# Allegro board 1119394-C028P02-36-DE2-C01_pcb.brd (continued)
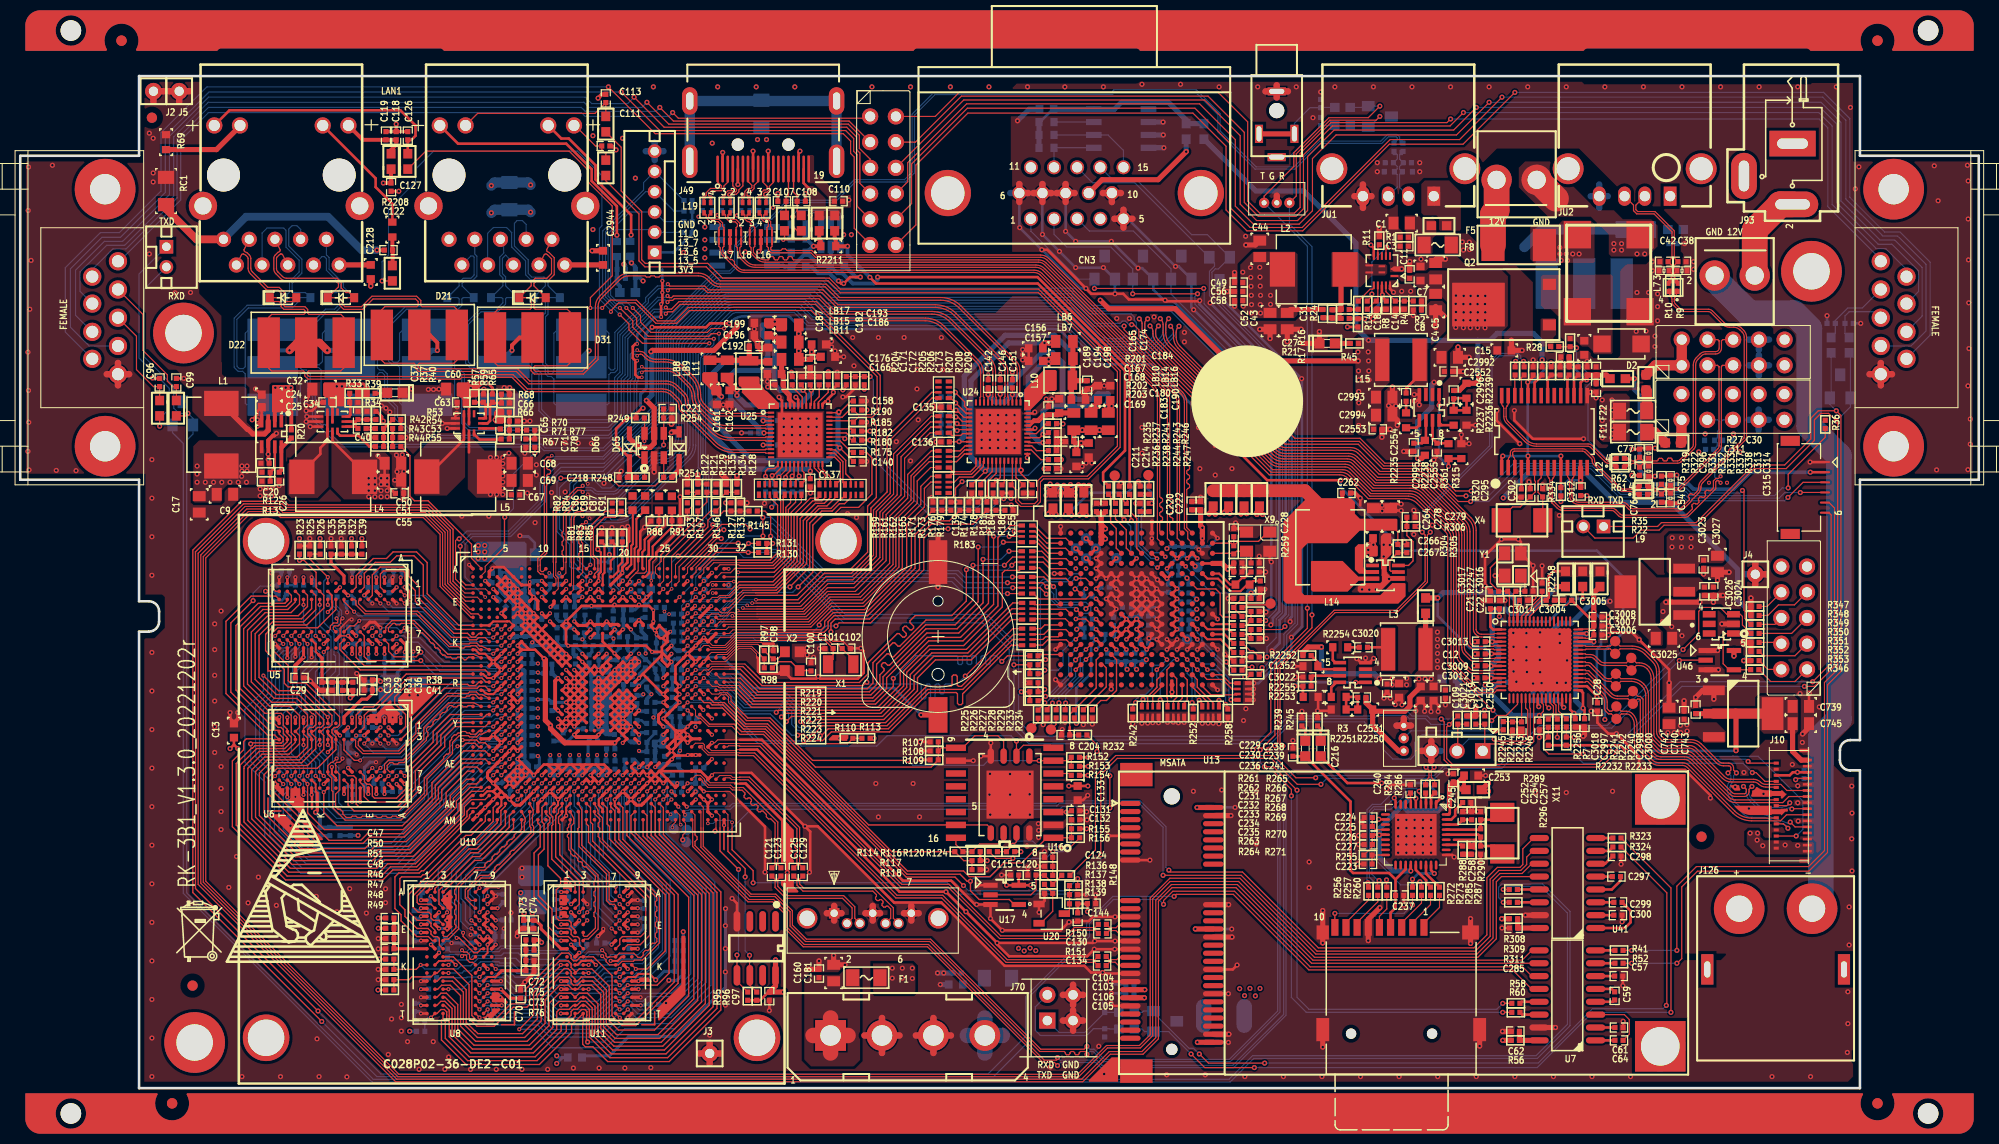
[diagram p0: board, top side]
## Routing (per net, layer and track width the routed paths; a pad name or vN(x,y) marks a point on that pad's centre or on a via; arc(x,y) is an arc through that point) (continued)
DDR0_DQ24: length 15
  TOP w0.127: v1(35.58,31.65) U6.D7 ; U10.U4 v1(46.72,38.12)
  BOTTOM w0.127: v1(35.58,31.65) 36.27,32.34 37.81,32.34 43.59,38.12 v1(46.72,38.12)
DDR0_DQ25: length 13.8
  TOP w0.127: v1(36.38,34.05) U6.C3 ; U10.R4 v1(46.72,39.72)
  BOTTOM w0.127: v1(36.38,34.05) 36.83,34.5 37.68,34.5 42.91,39.72 v1(46.72,39.72)
DDR0_DQ26: length 14.2
  TOP w0.127: U10.V4 v1(46.72,37.32) ; v1(36.38,30.85) U6.C8
  BOTTOM w0.127: v1(36.38,30.85) 37.11,31.58 38.14,31.58 43.89,37.32 v1(46.72,37.32)
DDR0_DQ27: length 15.4
  TOP w0.127: U10.P6 v1(48.32,40.52) ; v1(36.38,34.85) U6.C2
  BOTTOM w0.127: v1(48.32,40.52) 47.93,40.13 42.6,40.13 37.32,34.85 v1(36.38,34.85)
DDR0_DQ28: length 13
  TOP w0.127: v1(37.98,30.85) U6.A7 ; U10.W5 v1(47.52,36.52)
  BOTTOM w0.127: v1(37.98,30.85) 38.49,30.85 43.86,36.22 46.63,36.22 46.93,36.52 v1(47.52,36.52)
DDR0_DQ29: length 13.3
  TOP w0.127: U6.A2 38.06,35.73 38.06,36.92 36.98,38 36.98,38.63 38.25,39.9 44.2,39.9 44.32,39.78 44.96,39.78 45.3,40.12 U10.R2
DDR0_DQ30: length 15
  TOP w0.127: v1(37.18,30.85) U6.B8 ; U10.W6 v1(48.32,36.52)
  BOTTOM w0.127: v1(48.32,36.52) 47.92,36.92 46.76,36.92 46.53,36.69 43.8,36.69 38.35,31.25 37.58,31.25 v1(37.18,30.85)
DDR0_DQ31: length 11.5
  TOP w0.127: U6.A3 38.5,35.37 38.5,36.13 41.89,39.52 45.15,39.52 45.34,39.71 45.93,39.71 U10.T3
DDR0_DQS0_N: length 15.2
  TOP w0.114: U10.L2 45.38,43.32 44.98,43.72 44.53,43.72 44.45,43.63 43.96,43.63 43.81,43.48 43.45,43.48 43.3,43.63 42.36,43.63 39.12,46.86 34.05,46.86 33.15,47.76 33.15,48.14 33,48.29 U5.G3
DDR0_DQS0_P: length 15.3
  TOP w0.114: U5.F3 33.41,48.13 33.41,47.87 34.16,47.13 39.24,47.13 42.47,43.9 44.34,43.9 44.42,43.98 45.09,43.98 45.4,43.67 45.59,43.67 U10.L3
DDR0_DQS1_N: length 11.6
  TOP w0.114: U10.M1 44.64,42.6 44.29,42.6 44.02,42.33 43.86,42.33 43.59,42.6 43.22,42.6 43.05,42.43 42.68,42.43 42.51,42.6 42.12,42.6 41.93,42.79 41.77,42.79 41.73,42.79 41.48,43.03 41.48,43.24 41.23,43.49 41.03,43.49 40.92,43.6 40.92,43.8 40.75,43.97 40.62,43.97 40.41,44.17 40.41,44.31 39.74,44.98 39.53,44.98 39.38,45.14 39.38,45.34 38.79,45.93 37.62,45.93 37.48,45.79 37.13,45.79 36.99,45.93 36.82,45.93 36.37,45.48 36.37,45.16 36.44,45.09 U5.B7
DDR0_DQS1_P: length 11.7
  TOP w0.114: U5.C7 36.1,45.22 36.1,45.59 36.71,46.19 38.91,46.19 42.24,42.86 44.8,42.86 U10.M2
DDR0_DQS2_N: length 16.9
  TOP w0.114: U6.G3 33.04,34.45 33.12,34.36 33.12,33.76 33.82,33.06 37.49,33.06 39.34,34.91 39.34,35.86 42.22,38.74 43.47,38.74 43.61,38.61 43.98,38.61 44.11,38.74 44.35,38.74 44.49,38.88 44.95,38.88 45.31,38.52 U10.U2
DDR0_DQS2_P: length 17
  TOP w0.114: U6.F3 33.39,34.26 33.39,33.87 33.93,33.32 37.38,33.32 39.08,35.02 39.08,35.98 42.11,39.01 44.24,39.01 44.38,39.15 45.06,39.15 45.33,38.88 45.65,38.88 U10.U3
DDR0_DQS3_N: length 13.5
  TOP w0.114: U6.B7 36.5,31.25 36.24,31.5 36.24,31.89 36.52,32.16 36.79,32.16 36.92,32.02 37.28,32.02 37.42,32.16 37.91,32.16 40.13,34.38 40.13,34.66 40.27,34.8 40.27,35.15 40.13,35.29 40.13,35.53 40.32,35.72 40.53,35.72 40.77,35.96 40.77,36.18 41.02,36.42 41.23,36.42 41.47,36.66 41.47,36.88 41.72,37.12 41.93,37.12 42.17,37.36 42.17,37.58 42.41,37.81 42.63,37.81 42.77,37.68 43.13,37.68 43.26,37.81 43.62,37.81 43.76,37.68 44.12,37.68 44.25,37.81 44.63,37.81 U10.V1
DDR0_DQS3_P: length 13.6
  TOP w0.114: U6.C7 35.98,32 36.41,32.43 37.8,32.43 39.86,34.49 39.86,35.64 42.29,38.07 44.81,38.07 U10.V2
DDR0_ODT: length 74.7
  TOP w0.127: R26.2 R25.1 28.6,52.28 v1(30.38,50.5) U5.K1 ; v1(24.02,40.76) 25.52,39.27 27.77,39.27 v1(30.38,36.66) U6.K1 ; U10.AF4 v1(46.72,30.92)
  BOTTOM w0.127: v1(24.02,40.76) 24.02,39.26 22.19,37.43 22.19,32.22 24.16,30.25 24.16,24.79 27.71,21.23 37.87,21.23 43.71,27.08 43.71,27.91 v1(46.72,30.92) ; v1(30.38,50.5) 29.98,50.11 29.98,46.01 30.99,45.01 30.99,42.85 31.14,42.7 31.14,41.17 30.51,40.54 30.51,36.79 v1(30.38,36.66)
DDR0_RAS_N: length 60.5
  TOP w0.127: U10.AF2 45.11,31.73 43.87,31.73 41.63,29.49 41.63,28.49 37.95,24.81 34.49,24.81 33.86,24.18 29.41,24.18 24.49,29.11 24.49,30.72 25.37,31.6 29.34,31.6 31.18,33.44 U6.J3 31.18,34.71 30.78,35.11 30.78,35.41 31.01,35.64 31.32,35.64 31.55,35.87 31.55,36.68 28.2,40.03 26.7,40.03 26.47,40.26 26.47,41.76 24.78,43.45 24.78,44.85 25.42,45.49 29.38,45.49 31.18,47.29 U5.J3
DDR0_RESET_N: length 66
  TOP w0.127: v2(23,48.17) 20.8,45.97 20.8,39.12 24.57,35.36 25.47,35.36 U6.T2 25.58,34.99 25.97,34.6 25.97,34.29 25.77,34.09 25.73,34.09 25.72,34.09 25.43,34.09 25.43,34.09 25.36,34.09 25.33,34.12 22.87,34.12 v2(22.76,34.02) ; U10.AF5 v1(47.52,30.92) ; v1(24.89,49.71) 24.97,49.63 24.97,49.35 25.23,49.09 U5.T2
  BOTTOM w0.102: v1(24.89,49.71) 24.79,49.61 23.7,49.61 23,48.91 v2(23,48.17)
  BOTTOM w0.127: v1(47.52,30.92) 47.1,31.34 46.51,31.34 43.21,28.04 43.21,27.2 37.74,21.74 27.84,21.74 24.66,24.92 24.66,30.38 22.76,32.28 v2(22.76,34.02)
  BOTTOM w0.254: R414.2 25.3,48.82 24.97,49.15 24.97,49.63 v1(24.89,49.71) C505.1
DDR0_WE_N: length 40.4
  TOP w0.127: U6.L3 v1(29.58,33.91) ; U10.AC2 45.28,33.72 44.92,34.08 44.02,34.08 43.72,33.78 v1(43.19,33.78) ; U5.L3 v1(29.58,47.76)
  BOTTOM w0.127: v1(29.58,47.76) 29.58,45.7 30.68,44.6 30.68,41.58 29.93,40.83 29.93,34.27 v1(29.58,33.91) 29.58,33.43 30.38,32.63 30.38,31.19 30.97,30.6 30.97,28.09 31.64,27.42 37.62,27.42 39.1,28.9 39.1,29.7 v1(43.19,33.78)
DDR0_ZQ: length 1.2
  TOP w0.305: U10.M7 v1(49.12,42.12)
  BOTTOM w0.305: R404.1 49.57,42.12 v1(49.12,42.12)
DDR1_A0: length 44.4
  TOP w0.127: U10.AG20 v1(59.52,30.12) ; v1(42.3,9.78) U8.N3 ; v1(56.14,9.78) U11.N3
  BOTTOM w0.127: v1(59.52,30.12) 59.13,29.73 59.13,29.09 59.39,28.83 59.39,28.1 59.24,27.95 59.24,24.22 63.43,20.03 63.43,13.63 61.19,11.38 60.86,11.38 60.38,10.91 59.69,10.91 59.37,10.58 58.03,10.58 57.22,9.78 v1(56.14,9.78) 54.03,9.78 53.64,10.17 52.98,10.17 52.76,9.96 49.3,9.96 47.92,11.33 46.96,11.33 46.67,11.04 45.98,11.04 45.53,10.58 44.46,10.58 43.65,9.78 v1(42.3,9.78)
DDR1_A1: length 46.2
  TOP w0.127: v1(45.36,8.58) U8.P7 ; U10.AJ22 v1(61.12,28.52) ; v1(59.21,8.58) U11.P7
  BOTTOM w0.127: v1(61.12,28.52) 61.12,24.77 66.6,19.28 66.6,11.08 64.57,9.04 61.96,9.04 61.49,8.57 60.92,8.57 60.51,8.98 59.85,8.98 59.45,8.58 v1(59.21,8.58) 58.65,8.58 56.65,6.57 52.94,6.57 51.74,7.78 47.37,7.78 47.15,8 47.15,8.27 46.44,8.97 45.76,8.97 v1(45.36,8.58)
DDR1_A2: length 60.1
  TOP w0.127: U8.P3 41.97,8.98 42.93,8.01 42.93,5.59 44.66,3.86 50.47,3.86 52.6,6 52.6,7.96 53.22,8.57 54.93,8.57 55.34,8.98 U11.P3 55.89,8.98 56.77,8.09 56.77,5.51 58.51,3.77 63.62,3.77 68.05,8.2 68.05,19.24 62.32,24.97 U10.AL23
DDR1_A3: length 60.9
  TOP w0.127: U10.AM22 61.52,24.9 67.29,19.13 67.29,8.52 63.31,4.53 58.69,4.53 57.33,5.89 57.33,9.26 56.42,10.17 55.44,10.17 55.05,9.78 U11.N2 54.54,9.78 54.14,10.17 53.29,10.17 51.84,8.73 51.84,6.4 50.06,4.63 44.99,4.63 43.49,6.12 43.49,9.14 42.46,10.17 41.62,10.17 41.23,9.78 U8.N2
DDR1_A4: length 45.8
  TOP w0.127: v1(46.16,9.38) U8.P8 ; v1(60.01,9.38) U11.P8 ; U10.AG22 v1(61.12,30.12)
  BOTTOM w0.127: v1(61.12,30.12) 60.72,29.72 60.72,24.6 66.22,19.1 66.22,11.29 64.31,9.37 60.01,9.37 v1(60.01,9.38) 59.83,9.38 59.43,8.98 58.52,8.98 56.49,6.95 53.1,6.95 51.8,8.25 48.14,8.25 47.81,8.58 47.26,8.58 46.47,9.38 v1(46.16,9.38)
DDR1_A5: length 61.1
  TOP w0.127: U8.P2 41.15,8.98 41.56,9.38 42.09,9.38 43.21,8.27 43.21,5.85 44.82,4.25 50.28,4.25 52.22,6.19 52.22,8.36 53.24,9.38 54.4,9.38 U11.P2 55.21,9.38 56.01,9.38 57.05,8.34 57.05,5.74 58.64,4.15 63.46,4.15 67.67,8.36 67.67,19.18 61.91,24.95 61.91,26.93 U10.AL22
DDR1_A6: length 46.9
  TOP w0.127: U11.R8 59.61,8.18 v1(60.01,8.58) ; v1(46.16,8.58) U8.R8 ; U10.AH23 v1(61.92,29.32)
  BOTTOM w0.127: v1(61.92,29.32) 61.92,24.59 66.99,19.52 66.99,10.86 63.86,7.73 61.14,7.73 60.3,8.58 v1(60.01,8.58) 59.87,8.58 59.46,8.17 58.79,8.17 56.82,6.19 52.79,6.19 51.58,7.4 47.24,7.4 46.84,7.8 46.84,8.07 46.33,8.58 v1(46.16,8.58)
DDR1_A7: length 62.6
  TOP w0.127: U10.AK23 62.71,27.73 62.71,25.01 68.43,19.29 68.43,8.04 63.78,3.39 58.38,3.39 56.49,5.28 56.49,7.92 55.83,8.58 55.39,8.58 54.98,8.18 U11.R2 54.6,8.18 54.21,7.78 53.25,7.78 52.98,7.52 52.98,5.79 50.68,3.48 44.5,3.48 42.65,5.34 42.65,7.87 41.94,8.58 41.55,8.58 41.14,8.18 U8.R2
DDR1_A8: length 47.3
  TOP w0.127: U10.AJ24 v1(62.72,28.52) ; v1(60.01,7.78) U11.T8 ; v1(46.16,7.78) U8.T8
  BOTTOM w0.127: v1(62.72,28.52) 62.72,24.92 67.75,19.89 67.75,10.45 64.26,6.97 60.81,6.97 v1(60.01,7.78) 59.59,7.36 59.06,7.36 57.13,5.43 52.47,5.43 51.27,6.63 47.06,6.63 46.16,7.53 v1(46.16,7.78)
DDR1_A9: length 60.1
  TOP w0.127: U10.AM24 63.12,25.03 68.81,19.34 68.81,7.88 63.94,3.01 58.25,3.01 56.24,5.03 56.24,5.04 56.22,5.06 56.22,7.63 56.22,7.78 55.82,8.18 U11.R3 55.4,8.18 55.02,7.8 54.64,7.8 54.41,7.57 54.41,7.23 53.43,6.24 53.43,5.67 50.87,3.1 44.34,3.1 42.37,5.08 42.37,7.12 42.37,7.71 41.9,8.18 U8.R3
DDR1_A10: length 38.7
  TOP w0.127: U8.L7 45.36,11.78 v1(45.36,11.78) ; U10.AH19 v1(58.72,29.32) ; v1(59.21,11.78) U11.L7
  BOTTOM w0.127: v1(45.36,11.78) 45.76,12.18 47.14,12.18 47.23,12.09 48.33,12.09 49.06,11.35 55.55,11.35 55.94,10.97 56.76,10.97 57.57,11.78 v1(59.21,11.78) 59.73,12.31 61.44,12.31 63.05,13.92 63.05,19.78 58.8,24.03 58.8,27.95 59.13,28.28 59.13,28.68 58.72,29.09 v1(58.72,29.32)
DDR1_A11: length 48.6
  TOP w0.127: U10.AH24 v1(62.72,29.32) ; U11.R7 v1(59.21,7.78) ; U8.R7 v1(45.36,7.78)
  BOTTOM w0.127: v1(62.72,29.32) 62.33,28.93 62.33,24.76 67.37,19.72 67.37,10.66 64.06,7.35 60.99,7.35 60.17,8.17 59.86,8.17 59.47,7.78 v1(59.21,7.78) 58.94,7.78 56.98,5.81 52.63,5.81 51.42,7.02 47.13,7.02 46.56,7.59 46.56,7.94 46.33,8.17 45.76,8.17 v1(45.36,7.78)
DDR1_A12: length 41.9
  TOP w0.127: U10.AH21 v1(60.32,29.32) ; v1(45.36,9.38) U8.N7 ; v1(59.21,9.38) U11.N7
  BOTTOM w0.127: v1(45.36,9.38) 45.76,9.77 46.66,9.77 47.05,9.38 47.76,9.38 48.44,8.71 52.1,8.71 53.04,7.77 56.75,7.77 58.36,9.38 v1(59.21,9.38) 59.41,9.38 59.81,9.77 60.5,9.77 60.91,10.18 61.31,10.18 64.19,13.07 64.19,20.54 60.2,24.53 60.2,28.01 59.9,28.31 59.9,28.68 60.32,29.1 v1(60.32,29.32)
DDR1_A13: length 62.6
  TOP w0.127: U8.T3 41.76,6.87 41.6,6.71 41.6,4.77 44.03,2.34 51.27,2.34 54.46,5.52 54.46,6.23 U11.T3 55.61,6.39 55.55,6.33 55.55,4.35 55.81,4.09 56.56,4.09 58.02,2.63 64.1,2.63 69.19,7.73 69.19,19.39 63.53,25.06 63.53,27.71 U10.AK24
DDR1_A14: length 42.1
  TOP w0.127: U8.T7 v1(45.36,6.98) ; U11.T7 v1(59.22,6.97) 59.62,6.56 60.67,6.56 64.6,10.5 64.6,19.09 59.12,24.57 U10.AM19
  BOTTOM w0.127: v1(59.22,6.97) 57.3,5.05 52.31,5.05 51.11,6.25 46.09,6.25 v1(45.36,6.98)
DDR1_A15: length 41.5
  TOP w0.127: U10.AG21 v1(60.32,30.12) ; v1(59.21,10.18) U11.M7 ; v1(45.36,10.18) U8.M7
  BOTTOM w0.127: v1(60.32,30.12) 59.92,29.72 59.92,29.09 59.65,28.81 59.65,28.05 59.74,27.96 59.74,24.36 63.81,20.29 63.81,13.39 61.39,10.97 60.9,10.97 60.5,10.57 59.78,10.57 59.38,10.18 v1(59.21,10.18) 58.12,10.18 57.32,9.38 52.95,9.38 52.76,9.57 49.08,9.57 47.68,10.97 47.06,10.97 46.66,10.57 45.95,10.57 45.55,10.18 v1(45.36,10.18)
DDR1_BA0: length 62
  TOP w0.127: U10.AL21 60.33,26.93 60.33,25.23 63.43,22.13 66.53,19.03 66.53,8.83 62.99,5.29 58.89,5.29 57.89,6.29 57.89,9.71 56.62,10.98 55.43,10.98 55.02,10.58 U11.M2 54.81,10.77 54.41,11.16 54.41,11.5 54.09,11.82 53.73,11.82 51.08,9.17 51.08,6.85 49.61,5.39 45.2,5.39 44.91,5.68 44.87,5.68 44.05,6.51 44.05,9.71 42.78,10.98 41.59,10.98 41.18,10.58 U8.M2
DDR1_BA1: length 40
  TOP w0.127: U11.N8 v1(60.01,10.18) 62.9,10.18 64.08,11.36 64.08,19.17 58.73,24.53 58.73,27.41 58.32,27.81 U10.AK18 ; v1(46.16,10.18) U8.N8
  BOTTOM w0.127: v1(60.01,10.18) 59.78,10.18 59.37,9.77 58.21,9.77 57.02,8.58 52.99,8.58 52.43,9.14 48.79,9.14 47.75,10.18 v1(46.16,10.18)
DDR1_BA2: length 60.2
  TOP w0.127: U8.M3 42.68,10.58 43.77,9.49 43.77,6.39 45.15,5.01 49.82,5.01 51.46,6.65 51.46,8.92 52.77,10.22 52.77,10.45 53.27,10.95 54.18,10.95 54.41,10.72 54.41,10.4 54.63,10.18 55.03,10.18 55.43,10.58 U11.M3 56.52,10.58 57.61,9.49 57.61,6.07 58.76,4.91 63.15,4.91 66.91,8.67 66.91,19.08 60.72,25.27 U10.AM21
DDR1_CAS_N: length 39.4
  TOP w0.127: U11.K3 v1(56.14,12.18) ; U10.AJ18 v1(57.92,28.52) ; U8.K3 v1(42.3,12.18)
  BOTTOM w0.127: v1(57.92,28.52) 58.01,28.43 58.01,23.54 62.29,19.27 62.29,14.46 61.02,13.19 58.35,13.19 57.81,12.65 56.62,12.65 v1(56.14,12.18) 54.42,12.18 53.87,12.73 49.81,12.73 49.17,13.36 47.78,13.36 47.52,13.11 44.73,13.11 44.28,12.65 42.77,12.65 v1(42.3,12.18)
DDR1_CKE: length 36.7
  TOP w0.127: v1(46.96,11.78) 46.56,12.18 U8.K9 ; U10.AK17 57.96,27.68 57.96,26.1 58.2,25.86 58.2,24.62 63.7,19.12 63.7,13.56 61.92,11.78 v1(60.81,11.78) U11.K9
  BOTTOM w0.127: v1(60.81,11.78) 60.4,11.37 57.7,11.37 56.92,10.59 55.81,10.59 55.41,10.99 52.68,10.99 52.66,10.97 48.88,10.97 48.14,11.71 47.03,11.71 v1(46.96,11.78)
DDR1_CLK0_N: length 41.9
  TOP w0.114: U10.AK16 57.08,27.45 57.08,27.13 57.5,26.71 57.5,24.56 63.15,18.91 63.15,14.37 61.44,12.66 60.67,12.66 60.56,12.54 59.44,12.54 59.08,12.18 U11.K7 58.19,12.18 57.87,12.5 57.87,12.66 v1(57.48,13.05) ; v1(43.64,13.05) 43.74,13.16 44,13.16 44.09,13.07 44.09,12.73 44.38,12.43 44.71,12.43 U8.K7
  BOTTOM w0.114: R405.2 42.44,13.2 43.48,13.2 v1(43.64,13.05) 43.79,13.2 44.19,13.2 44.47,13.49 47.27,13.49 47.57,13.79 49.64,13.79 50.1,13.33 54.08,13.33 54.73,12.68 55.72,12.68 56.24,13.21 57.32,13.21 v1(57.48,13.05)
DDR1_CLK0_P: length 41.8
  TOP w0.114: v1(43.64,13.63) 43.82,13.45 44.13,13.45 44.38,13.19 44.38,12.85 44.51,12.72 44.71,12.72 U8.J7 ; U10.AL16 56.72,27.11 57.24,26.6 57.24,26.34 57.09,26.19 57.09,25.85 57.24,25.7 57.24,25.35 57.09,25.2 57.09,24.86 57.24,24.71 57.24,24.45 62.88,18.8 62.88,18.57 62.74,18.42 62.74,18.05 62.88,17.9 62.88,17.53 62.74,17.39 62.74,17.02 62.88,16.87 62.88,16.5 62.74,16.36 62.74,15.99 62.88,15.84 62.88,15.43 62.73,15.28 62.73,14.93 62.88,14.78 62.88,14.48 62.73,14.32 62.44,14.32 62.23,14.11 62.23,13.83 62.03,13.62 61.74,13.62 61.53,13.41 61.53,13.13 61.33,12.92 61.02,12.92 60.6,13.34 59.17,13.34 U11.J7 58.18,12.98 58.14,12.93 57.98,12.93 57.85,13.06 57.85,13.26 v1(57.48,13.63)
  BOTTOM w0.114: R405.1 42.49,13.47 43.48,13.47 v1(43.64,13.63) 43.8,13.47 44.08,13.47 44.36,13.75 47.16,13.75 47.46,14.06 49.75,14.06 50.21,13.6 54.19,13.6 54.84,12.95 55.61,12.95 56.13,13.47 57.32,13.47 v1(57.48,13.63)
DDR1_CS_N: length 65.9
  TOP w0.127: U10.AL20 59.92,24.97 66.02,18.87 66.02,9.12 62.64,5.74 59.08,5.74 58.17,6.65 58.17,10.07 56.46,11.78 55.21,11.78 U11.L2 54.81,11.53 54.41,11.92 54.41,12.31 54.15,12.57 53.26,12.57 50.32,9.63 50.32,8.28 50.04,8 48.69,8 46.81,6.12 45.11,6.12 44.33,6.9 44.33,10.23 42.77,11.78 41.59,11.78 41.18,11.38 U8.L2 40.58,11 38.68,11 38.4,10.72 R48.1 R49.2
DDR1_DM0: length 18.6
  TOP w0.127: v1(44.56,16.58) U8.E7 ; U10.AG10 v1(51.52,30.12)
  BOTTOM w0.127: v1(51.52,30.12) 51.13,29.73 51.13,27.32 46.08,22.27 45.19,22.27 43.97,21.05 43.97,18.91 44.43,18.45 44.43,16.71 v1(44.56,16.58)
DDR1_DM1: length 16.4
  TOP w0.127: U10.AJ7 v1(49.12,28.52) ; v1(42.16,17.38) U8.D3
  BOTTOM w0.127: v1(49.12,28.52) 45.14,24.54 44.25,24.54 41.28,21.57 41.28,18.5 42.16,17.62 v1(42.16,17.38)
DDR1_DM2: length 14.6
  TOP w0.127: v1(59.21,16.58) U11.E7 ; U10.AJ15 v1(55.52,28.52)
  BOTTOM w0.127: v1(55.52,28.52) 55.91,28.14 55.91,21.98 57.6,20.28 57.6,18.18 v1(59.21,16.58)
DDR1_DM3: length 15.1
  TOP w0.127: v1(56.01,17.38) U11.D3 ; U10.AG14 v1(54.72,30.12)
  BOTTOM w0.127: v1(56.01,17.38) 56.42,17.79 56.42,19.76 54.76,21.42 54.76,27.2 54.32,27.65 54.32,29.72 v1(54.72,30.12)
DDR1_DQ0: length 16.6
  TOP w0.127: U8.E3 41.36,16.58 40.8,16.58 40.57,16.81 40.57,17.18 40.37,17.38 39.3,17.38 38.76,17.93 38.76,18.96 40.24,20.44 40.56,20.44 44.14,24.03 44.91,24.03 47.12,26.23 U10.AM4
DDR1_DQ1: length 20
  TOP w0.127: U10.AG9 v1(50.72,30.12) ; v1(44.56,15.78) U8.F7
  BOTTOM w0.127: v1(50.72,30.12) 50.32,29.72 50.32,27.77 45.71,23.17 44.82,23.17 43.06,21.4 43.06,18.6 43.52,18.15 43.52,16.47 44.21,15.78 v1(44.56,15.78)
DDR1_DQ2: length 18.7
  TOP w0.127: U8.F2 40.96,15.59 40.57,15.99 40.57,16.29 40.28,16.58 39.22,16.58 38.38,17.42 38.38,19.15 39.95,20.72 40.3,20.72 43.98,24.41 44.75,24.41 46.71,26.37 46.71,27.71 U10.AK4
DDR1_DQ3: length 18.5
  TOP w0.127: U10.AJ9 v1(50.72,28.52) ; v1(45.36,15.78) U8.F8
  BOTTOM w0.127: v1(50.72,28.52) 50.72,27.54 45.89,22.72 45.01,22.72 43.54,21.25 43.54,18.73 43.98,18.3 43.98,16.58 44.38,16.18 44.96,16.18 v1(45.36,15.78)
DDR1_DQ4: length 21.4
  TOP w0.127: U10.AL3 45.94,26.94 45.94,26.4 44.52,24.98 44.02,24.98 40.14,21.1 39.79,21.1 39.57,20.88 37.67,20.88 37.49,20.7 37.49,18.13 38,17.63 38,16.98 39.19,15.78 40.28,15.78 40.57,15.49 40.57,15.23 40.82,14.97 41.2,14.97 41.39,14.78 41.39,14.15 U8.H3
DDR1_DQ5: length 23
  TOP w0.127: U10.AH7 v1(49.12,29.32) ; v1(43.11,14.85) 43.35,14.85 44.81,13.38 45.15,13.38 45.55,13.78 U8.H8
  BOTTOM w0.127: v1(49.12,29.32) 49.53,28.91 49.53,28.26 45.34,24.06 44.45,24.06 41.72,21.33 41.72,18.7 42.61,17.81 42.61,15.35 v1(43.11,14.85)
DDR1_DQ6: length 19.6
  TOP w0.127: U10.AM2 44.36,25.36 43.72,25.36 39.84,21.48 39.63,21.48 39.41,21.26 37.39,21.26 37.01,20.88 37.01,17.75 37.62,17.14 37.62,16.53 39.16,14.98 40.31,14.98 40.71,14.58 U8.G2
DDR1_DQ7: length 20.6
  TOP w0.127: v1(43.74,15.35) 43.74,15 U8.H7 ; U10.AH8 v1(49.92,29.32)
  BOTTOM w0.127: v1(43.74,15.35) 43.06,16.04 43.06,17.97 42.61,18.42 42.61,21.59 44.63,23.61 45.52,23.61 49.92,28.01 v1(49.92,29.32)
DDR1_DQ8: length 18.1
  TOP w0.127: U10.AH10 v1(51.52,29.32) ; U8.D7 v1(45.36,16.58)
  BOTTOM w0.127: v1(45.36,16.58) 44.86,17.08 44.86,18.71 44.43,19.14 44.43,20.87 45.38,21.82 46.27,21.82 51.57,27.12 51.57,27.92 51.94,28.29 51.94,28.67 51.52,29.09 v1(51.52,29.32)
DDR1_DQ9: length 13.2
  TOP w0.127: U8.C3 41.36,18.18 41.36,19.56 44.68,22.88 45.39,22.88 48.3,25.8 48.3,26.9 U10.AL6
DDR1_DQ10: length 17.9
  TOP w0.127: U10.AG11 v1(52.32,30.12) ; U8.C8 45.76,17.78 v1(45.36,17.38)
  BOTTOM w0.127: v1(52.32,30.12) 51.92,29.72 51.92,29.08 52.2,28.8 52.2,28.11 52,27.92 52,26.92 46.45,21.37 45.56,21.37 44.86,20.67 44.86,19.41 45.36,18.91 v1(45.36,17.38)
DDR1_DQ11: length 16.1
  TOP w0.127: U10.AK5 47.92,27.88 47.48,27.43 47.48,26.05 45.07,23.64 44.32,23.64 40.84,20.16 40.35,20.16 39.2,19.01 39.2,18.34 39.37,18.18 40.56,18.18 U8.C2
DDR1_DQ12: length 15.2
  TOP w0.127: v1(45.36,19.78) U8.A7 ; U10.AG12 v1(53.12,30.12)
  BOTTOM w0.127: v1(53.12,30.12) 52.72,29.72 52.72,29.08 52.45,28.81 52.45,26.77 46.63,20.95 45.74,20.95 45.36,20.57 v1(45.36,19.78)
DDR1_DQ13: length 11.3
  TOP w0.127: U8.A2 40.96,19.61 40.97,19.62 40.97,19.74 44.5,23.26 45.23,23.26 47.92,25.95 U10.AL5
DDR1_DQ14: length 14.6
  TOP w0.127: U8.B8 v1(46.16,18.98)
  TOP w0.305: U10.AH12 v1(53.12,29.32)
  BOTTOM w0.127: v1(53.12,29.32) 53.12,29.1 52.71,28.68 52.71,28.24 52.96,27.98 52.96,26.69 46.16,19.89 v1(46.16,18.98)
DDR1_DQ15: length 10.4
  TOP w0.127: U10.AM6 48.72,25.68 45.54,22.5 44.89,22.5 U8.A3
DDR1_DQ16: length 13.9
  TOP w0.127: U10.AJ13 v1(53.92,28.52) ; v1(56.01,16.58) U11.E3
  BOTTOM w0.127: v1(53.92,28.52) 53.92,27.54 54.38,27.08 54.38,21.24 55.61,20.01 55.61,16.98 v1(56.01,16.58)
DDR1_DQ17: length 16.2
  TOP w0.127: U10.AH14 v1(54.72,29.32) ; v1(58.41,15.78) U11.F7
  BOTTOM w0.127: v1(54.72,29.32) 54.72,27.88 55.14,27.46 55.14,21.61 56.81,19.94 56.81,17.37 v1(58.41,15.78)
DDR1_DQ18: length 14.2
  TOP w0.127: U11.F2 54.81,15.59 54.41,15.99 54.41,16.37 54.2,16.58 53.19,16.58 52.94,16.82 52.94,19.59 53.37,20.02 53.37,20.73 52.12,21.98 52.12,26.09 52.3,26.28 52.3,26.72 51.92,27.1 U10.AL10
DDR1_DQ19: length 16.5
  TOP w0.127: U10.AH15 v1(55.52,29.32) ; v1(59.21,15.78) U11.F8
  BOTTOM w0.127: v1(59.21,15.78) 57.21,17.78 57.21,20.11 55.52,21.79 55.52,27.71 55.12,28.12 55.12,28.92 v1(55.52,29.32)
DDR1_DQ20: length 17.6
  TOP w0.127: U10.AK10 51.53,27.73 51.53,26.32 51.74,26.11 51.74,23.62 51.18,23.06 51.18,19.02 52.52,17.68 52.52,16.35 53.1,15.78 54.23,15.78 54.41,15.59 54.41,15.2 54.64,14.97 55.05,14.97 55.24,14.78 55.24,14.15 U11.H3
DDR1_DQ21: length 18.7
  TOP w0.127: U10.AK15 56.33,27.71 56.33,26.29 56.54,26.08 56.54,24.42 62.16,18.8 62.16,15.1 61.24,14.18 60.01,14.18 U11.H8
DDR1_DQ22: length 14.7
  TOP w0.127: U10.AM9 51.12,26.2 51.35,25.97 51.35,23.85 50.75,23.24 50.75,18.9 52.12,17.53 52.12,16 53.13,14.98 54.14,14.98 54.54,14.58 U11.G2
DDR1_DQ23: length 17.5
  TOP w0.127: U11.H7 59.21,14.19 59.21,14.72 59.47,14.98 61.27,14.98 61.78,15.48 61.78,18.65 56.13,24.29 56.13,25.91 55.92,26.12 U10.AM15
DDR1_DQ24: length 13.5
  TOP w0.127: U10.AJ16 v1(56.32,28.52) ; v1(59.21,17.38) U11.D7
  BOTTOM w0.127: v1(56.32,28.52) 56.32,22.18 57.98,20.52 57.98,18.6 v1(59.21,17.38)
DDR1_DQ25: length 14.7
  TOP w0.127: U11.C3 v1(55.21,17.38) ; U10.AG13 v1(53.92,30.12)
  BOTTOM w0.127: v1(53.92,30.12) 53.53,29.73 53.53,21.54 55.21,19.86 v1(55.21,17.38)
DDR1_DQ26: length 13.5
  TOP w0.127: U10.AH16 v1(56.32,29.32) ; v1(59.21,18.18) U11.C8
  BOTTOM w0.127: v1(59.21,18.18) 58.36,19.02 58.36,20.74 56.77,22.33 56.77,28.87 v1(56.32,29.32)
DDR1_DQ27: length 11.7
  TOP w0.127: U10.AK12 53.52,27.89 53.16,27.54 53.16,27.21 52.88,26.92 52.88,22.86 55.22,20.52 55.22,18.2 U11.C2
DDR1_DQ28: length 11.2
  TOP w0.127: v1(58.81,19.91) U11.A7 ; U10.AH17 v1(57.12,29.32)
  BOTTOM w0.127: v1(58.81,19.91) 58.81,20.98 57.18,22.6 57.18,27.83 57.12,27.89 v1(57.12,29.32)
DDR1_DQ29: length 10.1
  TOP w0.127: U10.AK11 52.28,27.68 52.28,27.12 52.6,26.8 52.6,26.04 52.5,25.94 52.5,22.63 54.81,20.32 U11.A2
DDR1_DQ30: length 13.2
  TOP w0.127: U10.AG18 v1(57.92,30.12) ; v1(59.21,18.98) U11.B8
  BOTTOM w0.127: v1(59.21,18.98) 59.21,21.23 57.59,22.85 57.59,27.93 57.48,28.04 57.48,28.94 57.52,28.98 57.52,29.72 v1(57.92,30.12)
DDR1_DQ31: length 9.1
  TOP w0.127: U11.A3 55.61,20.74 53.29,23.06 53.29,26.08 53.17,26.2 53.17,26.78 53.52,27.13 U10.AL12
DDR1_DQS0_N: length 16.9
  TOP w0.114: U10.AL7 49.88,26.66 49.88,26.33 49.79,26.24 49.79,25.45 45.87,21.54 45.01,21.54 43.3,19.82 43.3,15.73 42.3,14.73 41.91,14.73 U8.G3
DDR1_DQS0_P: length 16.8
  TOP w0.114: U10.AM7 49.52,25.56 49.25,25.3 49.05,25.3 48.79,25.04 48.79,24.93 48.79,24.83 48.53,24.57 48.33,24.57 48.07,24.31 48.07,24.21 48.07,24.11 47.81,23.85 47.61,23.85 47.35,23.59 47.35,23.49 47.35,23.39 47.09,23.13 46.88,23.13 46.62,22.87 46.62,22.77 46.62,22.67 46.36,22.4 46.16,22.4 45.9,22.14 45.9,22.04 45.9,21.94 45.76,21.8 44.9,21.8 43.04,19.94 43.04,19.7 42.91,19.57 42.91,19.2 43.04,19.07 43.04,18.7 42.91,18.57 42.91,18.2 43.04,18.07 43.04,17.71 42.91,17.58 42.91,17.21 43.04,17.08 43.04,16.71 42.91,16.58 42.91,16.21 43.04,16.08 43.04,15.84 42.19,14.99 41.86,14.99 41.76,15.09 U8.F3
DDR1_DQS1_N: length 13.5
  TOP w0.114: U8.B7 44.93,18.54 44.55,18.54 44.22,18.87 44.22,19.48 45.5,20.76 46.38,20.76 50.7,25.09 50.7,25.87 50.59,25.99 50.59,26.99 50.66,27.06 50.66,27.48 U10.AK8
DDR1_DQS1_P: length 13.4
  TOP w0.114: U10.AL8 50.32,25.87 50.44,25.76 50.44,25.2 48.73,23.49 48.63,23.49 48.54,23.49 48.37,23.32 48.37,23.14 47.32,22.08 47.22,22.08 47.13,22.08 46.87,21.82 46.87,21.73 46.87,21.63 46.27,21.03 45.39,21.03 43.95,19.6 43.95,18.76 44.94,17.78 U8.C7
DDR1_DQS2_N: length 14.8
  TOP w0.114: U10.AL13 54.67,26.67 54.67,26.17 54.44,25.94 54.44,23.68 57.07,21.05 57.07,15.71 56.09,14.73 55.76,14.73 U11.G3
DDR1_DQS2_P: length 14.7
  TOP w0.114: U10.AM13 54.32,26.19 54.17,26.05 54.17,25.81 54.04,25.67 54.04,25.48 54.17,25.34 54.17,25.14 54.04,25.01 54.04,24.85 54.17,24.72 54.17,23.57 54.36,23.39 54.36,23.2 54.62,22.95 54.8,22.95 55.06,22.69 55.06,22.5 55.18,22.38 55.37,22.38 55.52,22.22 55.52,22.04 55.69,21.87 55.88,21.87 56.81,20.94 56.81,20.54 56.67,20.4 56.67,20.03 56.81,19.89 56.81,19.53 56.67,19.39 56.67,19.02 56.81,18.88 56.81,18.51 56.67,18.37 56.67,18 56.81,17.86 56.81,17.49 56.67,17.35 56.67,16.99 56.81,16.85 56.81,15.82 55.98,15 55.7,15 55.61,15.09 U11.F3
DDR1_DQS3_N: length 11.5
  TOP w0.114: U11.B7 58.66,18.43 58.37,18.43 58.16,18.64 58.16,21.29 55.46,23.99 55.46,27.49 U10.AK14
DDR1_DQS3_P: length 11.4
  TOP w0.114: U10.AL14 55.19,27.25 55.19,25.77 55.07,25.65 55.07,25.28 55.19,25.16 55.19,23.88 57.9,21.17 57.9,18.53 58.26,18.17 58.67,18.17 58.81,18.03 U11.C7
DDR1_ODT: length 72.6
  TOP w0.127: U10.AH25 v1(63.52,29.32) ; U11.K1 v1(53.4,12.18) 53.4,12.12 50.7,9.42 50.7,7.23 v1(49.29,5.82) ; R46.2 R47.1 39.11,11.73 v1(39.55,12.18) U8.K1
  BOTTOM w0.127: v1(49.29,5.82) 50.75,5.82 52.58,3.99 57.83,3.99 59.72,5.87 64.67,5.87 68.61,9.8 68.61,20.35 63.78,25.17 63.78,28.02 63.93,28.17 63.93,28.65 63.52,29.06 v1(63.52,29.32) ; v1(53.4,12.18) 49.59,12.18 48.95,12.83 45.22,12.83 44.49,12.09 43.54,12.09 43.23,11.78 39.95,11.78 v1(39.55,12.18)
DDR1_RAS_N: length 59.4
  TOP w0.127: U8.J3 42.77,12.98 44.61,11.14 44.61,7.17 45.2,6.58 46.71,6.58 48.46,8.33 49.73,8.33 49.94,8.53 49.94,9.8 53.48,13.35 54.18,13.35 54.41,13.12 54.41,12.81 54.64,12.58 54.95,12.58 55.34,12.98 U11.J3 56.61,12.98 58.45,11.14 58.45,7.17 59.44,6.18 60.79,6.18 64.98,10.37 64.98,19.14 59.53,24.59 59.53,27.71 U10.AK19
DDR1_RESET_N: length 62.6
  TOP w0.127: U10.AJ25 v1(63.52,28.52) ; v2(56.04,4.56) 55.93,4.67 55.93,7.13 55.96,7.16 55.96,7.23 55.96,7.23 55.96,7.53 55.96,7.53 55.96,7.57 55.76,7.77 55.45,7.77 55.06,7.38 U11.T2 54.81,7.1 53.94,6.24 53.94,5.61 51.05,2.72 44.19,2.72 41.98,4.92 41.98,6.58 42.12,6.71 42.12,7.23 42.12,7.53 42.12,7.54 41.89,7.77 41.55,7.77 41.16,7.38 U8.T2 v1(40.56,6.98)
  BOTTOM w0.127: R407.2 C473.1 40.28,6.98 v1(40.56,6.98) ; v1(63.52,28.52) 63.27,28.27 63.27,25.04 68.22,20.09 68.22,10.19 64.41,6.38 59.46,6.38 57.65,4.56 v2(56.04,4.56)
